# Altium PCB SEG_pressure gauge_don  V2.4.PcbDoc (part 1 of 4)
Units mil, origin at the board's own origin, x right, y up, seen from the top; angles counter-clockwise.
Board outline 2671.27 x 2667.03 mil, 2 copper layers (Top Layer, Bottom Layer); 42 components, 48 nets, 145 pads, 29 vias.
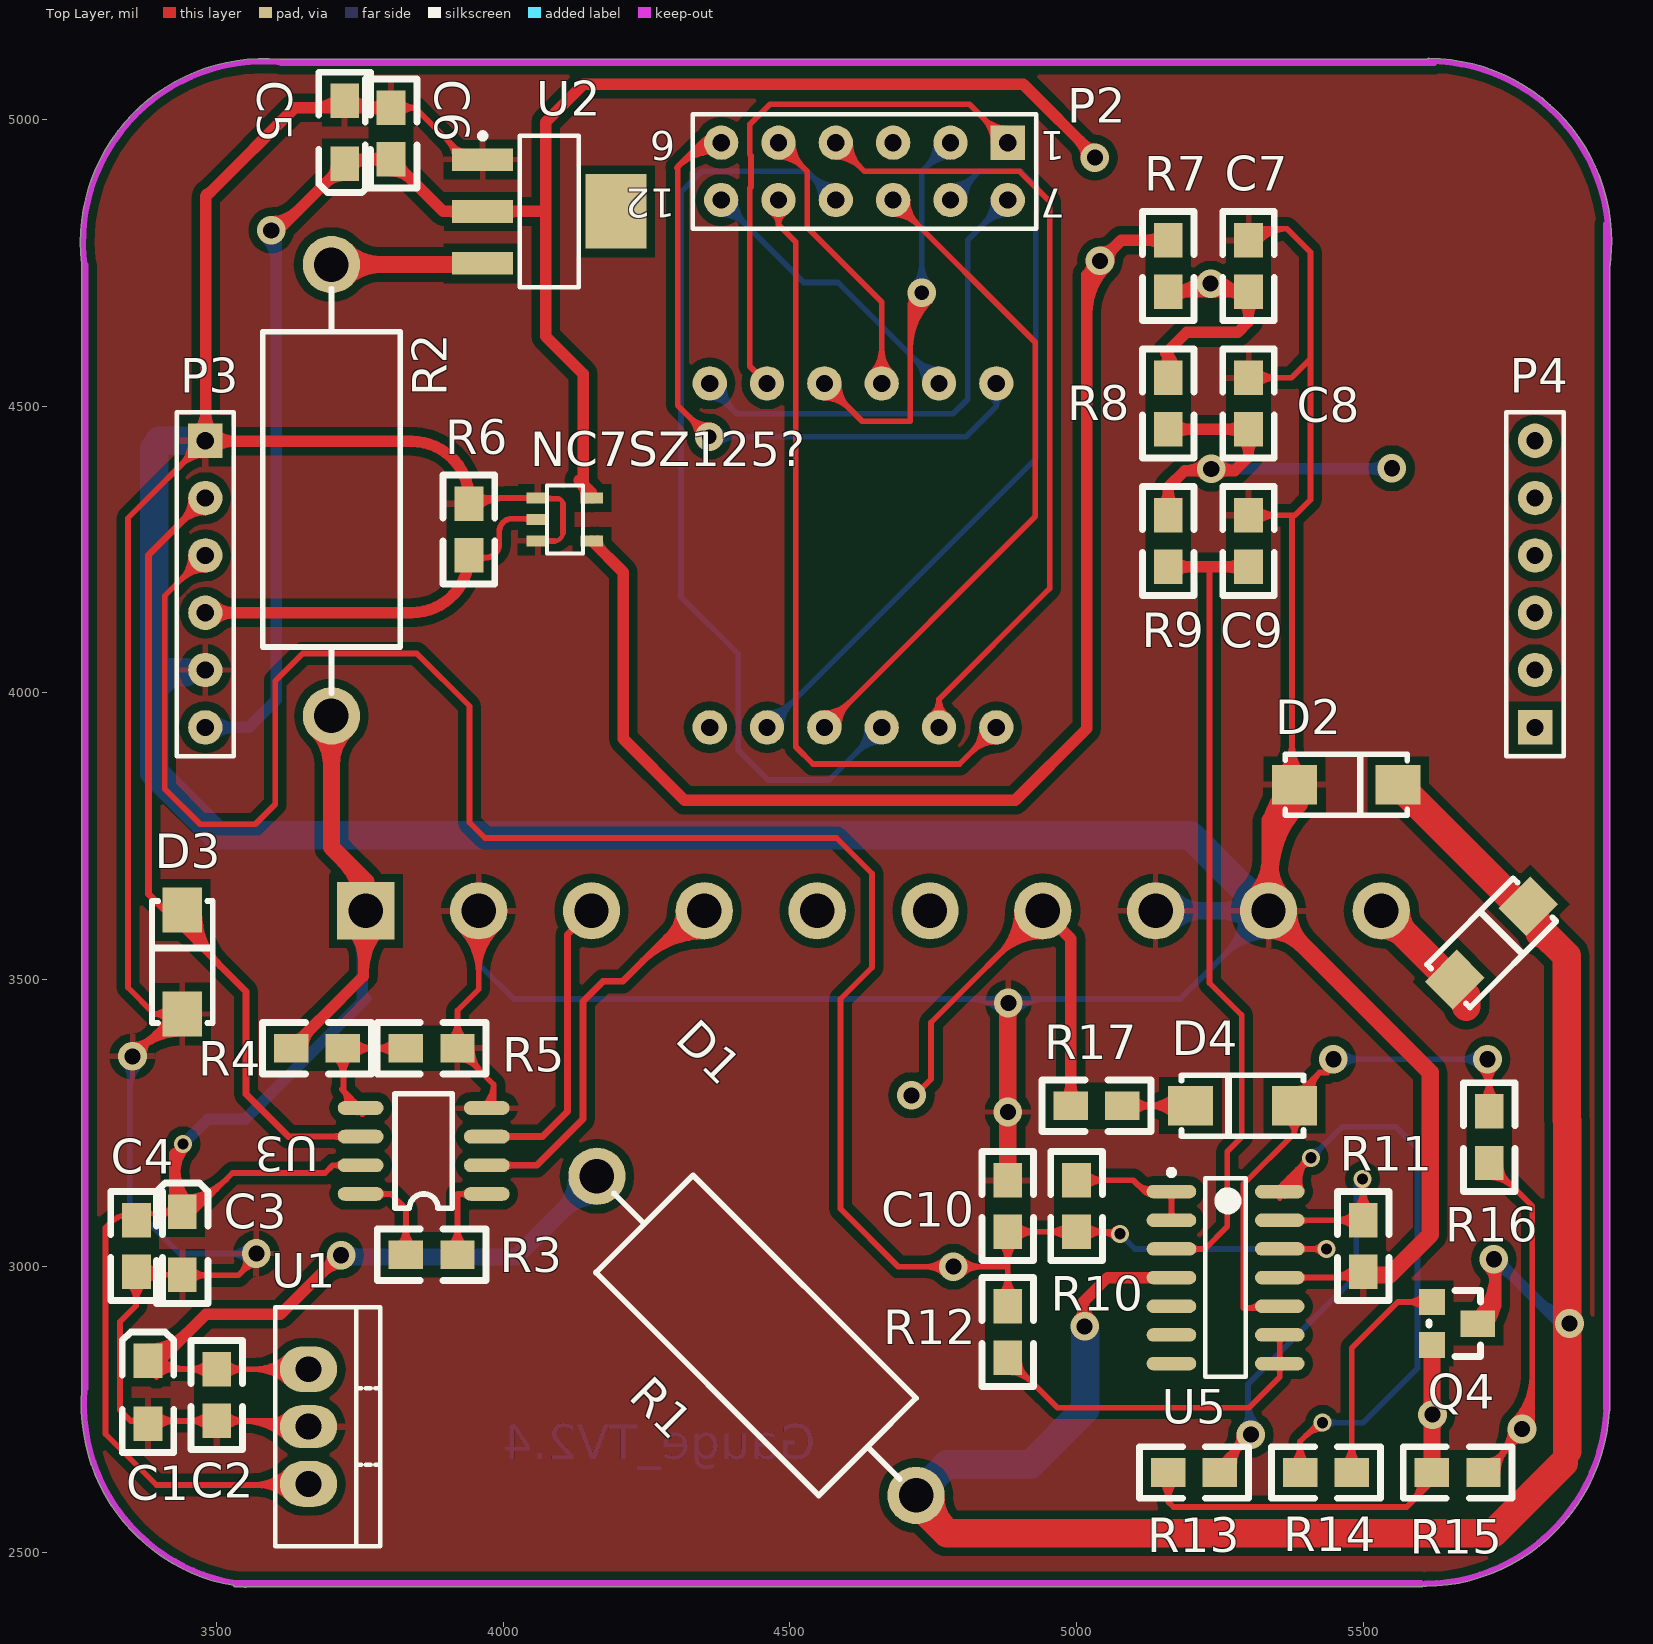
[diagram p0: Top Layer view]
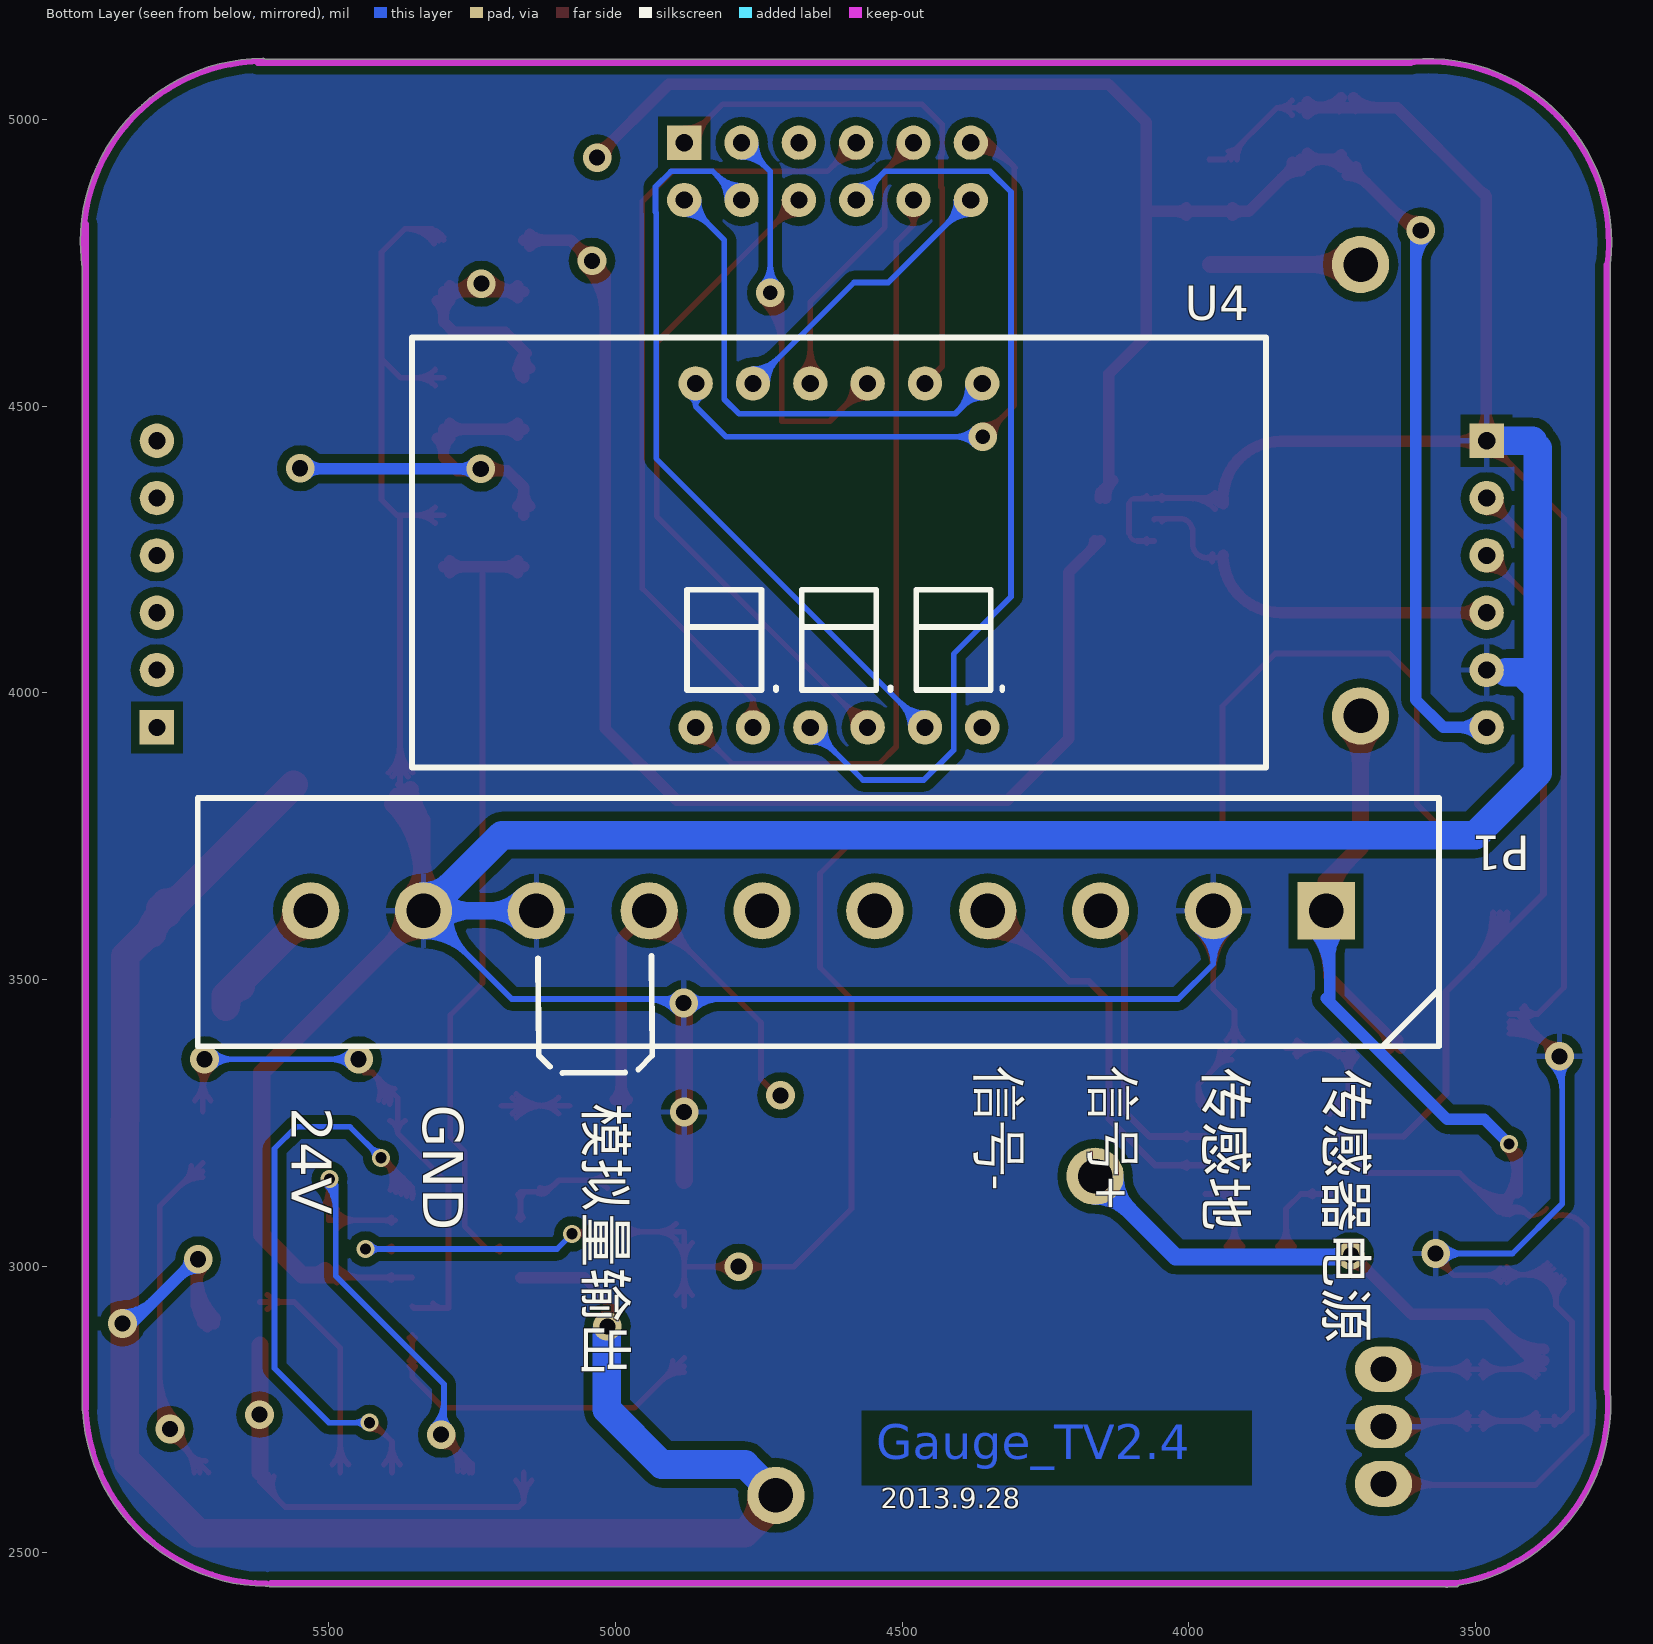
[diagram p1: Bottom Layer view, seen from below]
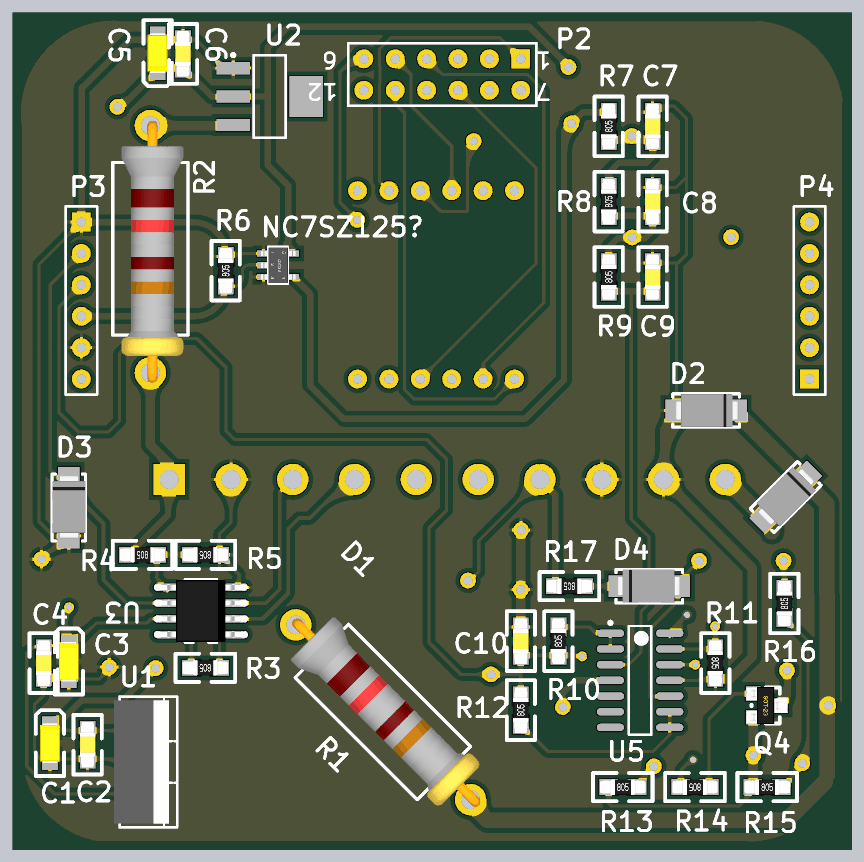
[diagram p5: 3D render of the assembled board from above, using the file's embedded part models]

## Layer stack, top to bottom
Top Layer: signal copper 1.4
Dielectric: core 12.6, FR-4, Dk 4.8
Bottom Layer: signal copper 1.4

## Board outline
3534,2440.26 3547.23,2440.26 ccw(c3583.65,2758.16) 3549.46,2440.01 ccw(c3550,2445) 3551.64,2440.26 5601,2440.26 ccw(c5601,2446.18) 5605.62,2442.48 ccw(c5609,2446.18) 5609.06,2441.17 ccw(c5604.95,2765.95) 5929.22,2747.15 ccw(c5924.72,2751) 5930.64,2751 5930.64,4745.78 ccw(c5925.85,4747.26) 5930.83,4746.63 ccw(c5613.42,4787.04) 5933.39,4787.04 ccw(c5613.42,4787.04) 5615.03,5107.02 5615.03,5107.01 ccw(c5615,5102) 5611.56,5105.64 3612,5105.64 ccw(c3612,5099.72) 3610.3,5105.4 ccw(c3582.1,4786.67) 3264.42,4748.38 ccw(c3270.18,4747) 3264.26,4747 3264.26,2786 ccw(c3270.18,2786) 3264.7,2783.75 ccw(c3583.65,2758.16) 3529.09,2442.87 ccw(c3534,2446.18)

## Design rules (kind name [scope] priority, off if disabled: settings)
Clearance [All] p1: gap=15
PolygonConnect [All] p1: connectstyle=Relief reliefconductorwidth=10 reliefentries=4 polygonreliefangle="90 Angle"
RoutingVias [All] p1: holewidth=25 width=50 viastyle="Through Hole" minholewidth=20 minwidth=50 maxholewidth=28 maxwidth=150
SilkscreenOverComponentPads [All] p1: minsilkscreentomaskgap=10
SolderMaskExpansion [All] p1: expansion=4
Width [All] p1: maxlimit=50 minlimit=6 preferedwidth=8
27 further rules are at their usual default settings.

## Components (designator, comment, footprint, x,y, rotation, side; value= is the part's Value field where it differs from the comment)
C1 "10uf" 3216 3380,2780 r90 top
C2 "100nf" 0805_C_Y 3500,2820 r270 top
C3 "10uf" 3216 3440,3040 r90 top
C4 "100nf" 0805_C_Y 3360,3080 r270 top
C5 "10uf" 3216 3723,4978 r270 top
C6 "100nf" 0805_C_Y 3804,4931 r90 top
C7 "100nf" 0805_C_Y 5300,4700 r90 top
C8 "100nf" 0805_C_Y 5300,4460 r90 top
C9 "100nf" 0805_C_Y 5300,4220 r90 top
C10 "100nf" 0805_C_Y 4880,3060 r90 top
D1 "Diode 1N4007" DO-214 5660,3500 r45 top
D2 "Diode 1N5402" DO-214 5380,3840 r0 top
D3 "Diode 1N5402" DO-214 3440,3440 r90 top
D4 "Diode 1N4007" DO-214 5380,3280 r180 top
NC7SZ125? "NC7SZ125" SOT23-5 4060,4340 r90 top
P1 "Header 10H" HDR1X10H 3760,3620 r0 bottom locked
P2 "Header 6X2*2.54" HDR2X6_CEN 4880,4960 r180 top locked
P3 "Header 6" HDR1X6 3480,4440 r270 top locked
P4 "Header 6" HDR1X6 5800,3940 r90 top locked
Q4 "S8050" SOT-23_Y 5660,2900 r270 top
R1 "56/2W" "PCBComponent_1 - duplicate" 4720,2600 r135 top
R2 "56/2W" "PCBComponent_1 - duplicate" 3700,3960 r90 top
R3 "10k" 0805_R_Y 3920,3020 r180 top
R4 "10k" 0805_R_Y 3720,3380 r180 top
R5 "1k" 0805_R_Y 3920,3380 r180 top
R6 "470" 0805_R_Y 3940,4240 r90 top
R7 "10k" 0805_R_Y 5160,4700 r90 top
R8 "10k" 0805_R_Y 5160,4460 r90 top
R9 "10k" 0805_R_Y 5160,4220 r90 top
R10 "100k" 0805_R_Y 5000,3060 r90 top
R11 "10k" 0805_R_Y 5500,3080 r270 top
R12 "10k" 0805_R_Y 4880,2840 r90 top
R13 "10k" 0805_R_Y 5160,2640 r0 top
R14 "10k" 0805_R_Y 5480,2640 r180 top
R15 "10k" 0805_R_Y 5620,2640 r0 top
R16 "10k" 0805_R_Y 5720,3180 r90 top
R17 "10k" 0805_R_Y 5080,3280 r180 top
U1 "MC7812CT" TO-220 3660,2720 r270 top
U2 "LM1117MP-3.3" MP04A_M 4080,4840 r0 top
U3 "AD620AR" SO-8_Y 3971,3126 r180 top
U4 "3位共阳极数码管" 3位数码管0.56 4860,3940 r180 bottom locked
U5 "LM324AD" D014_N 5260,2980 r0 top

## Footprints (in the part's own frame and the unit in brackets; to place one, negate y for a bottom-side part, rotate by r counter-clockwise, add the part's x,y. Pads: shape width x height; smd on the part's side, far side on the other; paste and mask are expansions set on the pad)
3位数码管0.56 [mil]
  round 60 hole 30: 1(0,600) 2(300,600) 3(400,600) 6(500,0) a(100,600) b(500,600) c(300,0) d(100,0) dot(200,0) e(0,0) f(200,600) g(400,0)
  silkscreen extent -495,-70 995,680
0805_C_Y [mil] "0805贴片电容（已加焊）"
  rect 60x50 smd: 1(0,0) 2(90,0)
  silkscreen extent -50,-45 140,45, body extent -27,-25 117,25, height 14
0805_R_Y [mil] "0805贴片电阻（已加焊）"
  rect 60x50 smd: 1(0,0) 2(90,0)
  silkscreen extent -50,-45 140,45, body extent -27,-25 117,25, height 14
3216 [mil]
  rect 60x50 smd: 1(55,0) 2(-55,0)
  silkscreen extent -105,-45 105,45, body extent -63,-31 63,31, height 63
D014_N [mm] "SOIC, 14-Leads, Body 8.7x3.9mm, Pitch 1.27mm, IPC Medium Density"
  oval 2.2x0.6 smd: 1(-2.4,3.81) 2(-2.4,2.54) 3(-2.4,1.27) 4(-2.4,0) 5(-2.4,-1.27) 6(-2.4,-2.54) 7(-2.4,-3.81) 8(2.4,-3.81) 9(2.4,-2.54) 10(2.4,-1.27) 11(2.4,0) 12(2.4,1.27) 13(2.4,2.54) 14(2.4,3.81)
  silkscreen extent -2.52,-4.4 0.9,4.78, body extent -2,-4.38 2,4.38, height 1.75
DO-214 [mm]
  rect 2x1.75 smd: 1(0,0) 2(4.6,0)
  silkscreen extent -0.4,-1.35 5,1.35, body extent -1.07,-3.44 5.78,3.42, height 2.12
HDR1X6 [mil] "Connector; Header; 6 Position"
  rect 60x60 hole 30: 1(0,0)
  round 60 hole 30: 2(100,0) 3(200,0) 4(300,0) 5(400,0) 6(500,0)
  silkscreen extent -50,-50 550,50
HDR1X10H [mil] "Connector; Header; 10 Position; Right Angle"
  rect 100x100 hole 60: 1(0,0)
  round 100 hole 60: 2(196.85,0) 3(393.7,0) 4(590.55,0) 5(787.4,0) 6(984.25,0) 7(1181.1,0) 8(1377.95,0) 9(1574.8,0) 10(1771.65,0)
  silkscreen extent -197,-197 1969,236
HDR2X6_CEN [mil] "Connector; Header; 6x2 Position"
  rect 60x60 hole 30: 1(0,0)
  round 60 hole 30: 2(100,0) 3(200,0) 4(300,0) 5(400,0) 6(500,0) 7(0,100) 8(100,100) 9(200,100) 10(300,100) 11(400,100) 12(500,100)
  silkscreen extent -50,-50 550,150
MP04A_M [mm] "SOT223, 4-Leads, Body 6.5x3.5mm, Pitch 2.3mm, Lead Span 7mm, IPC Low Density"
  rect 2.7x1 smd: 1(-2.95,2.3) 2(-2.95,0) 3(-2.95,-2.3)
  rect 2.7x3.3 smd: 4(2.95,0)
  silkscreen extent -3.07,-3.35 1.3,3.47, body extent -1.85,-3.35 1.85,3.35, height 1.8
"PCBComponent_1 - duplicate" [mil]
  round 100 hole 60: 1(0,0) 2(787.4,0)
  silkscreen extent 40,-120 745,120, body extent -39,-435 817,421, height 208
SO-8_Y [mil] "AD780AR（已加焊）"
  oval 80x24 smd: 1(0,0) 2(0,-50) 3(0,-100) 4(0,-150) 5(220,-150) 6(220,-100) 7(220,-50) 8(220,0)
  silkscreen extent 60,-175 160,25, body extent -40,-174 260,23, height 69
SOT23-5 [mm]
  rect 0.5x1 smd: 1(0,0) 2(-0.95,0) 3(-1.9,0) 4(-1.9,-2.4) 5(0,-2.4)
  silkscreen extent -2.45,-2 0.55,-0.4, body extent -2.4,-2.6 0.5,0.2, height 1.09
SOT-23_Y [mil] "IMP809T（已加焊）"
  rect 46x46 smd: 1(-37.5,-40) 2(37.5,-40)
  rect 46x60 smd: 3(0.5,40)
  silkscreen extent -58,-45 58,45, body extent -60,-63 61,70, height 39
TO-220 [mil]
  oval 80x100 hole 45: 1(-100,0) 3(100,0)
  oval 75x100 hole 45: 2(0,0)
  silkscreen extent -208,-58 208,125, body extent -196,-75 196,100, height 730

## Part data
C1 C3 C5: library part "Cap Pol2", "Polarized Capacitor (Axial)"
C2 C4 C6 C7 C8 C9 C10: library part Cap, "Capacitor"
D1: "1 Amp General Purpose Rectifier"
D2 D3: "3 Amp General Purpose Rectifier"
D4: library part "Diode 1N5402", "3 Amp General Purpose Rectifier"
P1: "Header, 10-Pin, Right Angle"
P2: library part "Header 6X2A", "Header, 6-Pin, Dual row"
P3 P4: "Header, 6-Pin"
Q4: library part 2N3904, "NPN General Purpose Amplifier"
R1 R2 R3 R4 R5 R6 R7 R8 R9 R10 R11 R12 R13 R14 R15 R16 R17: library part Res2, "Resistor"
U1: "Three-Terminal Positive Voltage Regulator"
U2: "800mA Low-Dropout Linear Regulator"
U3: "Low-Cost, Low-Power Instrumentation Amplifier"
U5: "Quadruple Operational Amplifier"

## Via types
v1: diameter 50, hole 28, Top Layer to Bottom Layer, 21 vias
v2: diameter 31.5, hole 19.68, Top Layer to Bottom Layer, 4 vias
v3: diameter 50, hole 25, Top Layer to Bottom Layer, 2 vias
v4: diameter 31.5, hole 19.68, Top Layer to Bottom Layer, tented top, 2 vias

## Nets (pads, with @x,y where several pads share a name; then routed paths per layer and width w, separated by ;. In a path a pad name is that pad's centre, name@x,y a point inside that pad or via, vN(x,y) a via of type N, cw(c..) or ccw(c..) an arc to the next point about the centre after c; other vN are vias at no path point)
3.3V: C5.1 C6.1 NC7SZ125?.5 P3.6 U2.2 | length 5334
  Top Layer w20: v1@3595,4822 ccw(c3595,4887.18) 3641.09,4841.09 ; v1@3604,4804 C5.1@3723,4923 3731,4931 C6.1@3804,4931 3895,4840 U2.2@3963.86,4840 4074,4840 ; 4131.94,4371.06 cw(c4100.87,4340) NC7SZ125?.5@4144.8,4340 ; 4148.74,4354.26 cw(c4134.5,4340.01) NC7SZ125?.5@4154.65,4340 ; 4153,4350 4139,4364 4139,4557 4074,4622 4074,4840 ; 5004.27,4964.73 cw(c4973.54,4934) v1@5017,4934 ; 5011.51,4957.49 ccw(c5032,4977.97) v1@5032,4949 ; v1@5034,4935 4907,5062 4140,5062 4074,4996 4074,4840 ; 3688.86,4888.86 cw(c3723,4854.72) C5.1@3723,4903 ; 3688.86,4888.86 cw(c3723,4854.72) C5.1@3723,4903 ; 3688.86,4888.86 cw(c3723,4854.72) C5.1@3723,4903 ; 3688.86,4888.86 cw(c3723,4854.72) C5.1@3723,4903 ; 3688.86,4888.86 cw(c3723,4854.72) C5.1@3723,4903 ; 3688.86,4888.86 cw(c3723,4854.72) C5.1@3723,4903 ; C5.1@3700.93,4900.93 ccw(c3683.86,4918) C5.1@3708,4918 ; C5.1@3700.93,4900.93 ccw(c3683.86,4918) C5.1@3708,4918 ; C5.1@3700.93,4900.93 ccw(c3683.86,4918) C5.1@3708,4918 ; C5.1@3700.93,4900.93 ccw(c3683.86,4918) C5.1@3708,4918 ; C5.1@3700.93,4900.93 ccw(c3683.86,4918) C5.1@3708,4918 ; C5.1@3700.93,4900.93 ccw(c3683.86,4918) C5.1@3708,4918 ; C5.1@3733.61,4917.39 cw(c3766.46,4884.54) 3766.46,4931 ; C5.1@3733.61,4917.39 cw(c3766.46,4884.54) 3766.46,4931 ; C5.1@3733.61,4917.39 cw(c3766.46,4884.54) 3766.46,4931 ; C5.1@3733.61,4917.39 cw(c3766.46,4884.54) 3766.46,4931 ; C5.1@3733.61,4917.39 cw(c3766.46,4884.54) 3766.46,4931 ; C5.1@3733.61,4917.39 cw(c3766.46,4884.54) 3766.46,4931 ; C5.1@3733.61,4938.61 ccw(c3751.97,4956.97) 3751.97,4931 ; C5.1@3733.61,4938.61 ccw(c3751.97,4956.97) 3751.97,4931 ; C5.1@3733.61,4938.61 ccw(c3751.97,4956.97) 3751.97,4931 ; C5.1@3733.61,4938.61 ccw(c3751.97,4956.97) 3751.97,4931 ; C5.1@3733.61,4938.61 ccw(c3751.97,4956.97) 3751.97,4931 ; C5.1@3733.61,4938.61 ccw(c3751.97,4956.97) 3751.97,4931 ; 3767.79,4931 cw(c3767.79,4894.79) C6.1@3793.39,4920.39 ; 3767.79,4931 ccw(c3767.79,4967.21) C6.1@3793.39,4941.61 ; 3767.79,4931 cw(c3767.79,4894.79) C6.1@3793.39,4920.39 ; 3767.79,4931 ccw(c3767.79,4967.21) C6.1@3793.39,4941.61 ; 3767.79,4931 cw(c3767.79,4894.79) C6.1@3793.39,4920.39 ; 3767.79,4931 ccw(c3767.79,4967.21) C6.1@3793.39,4941.61 ; 3767.79,4931 cw(c3767.79,4894.79) C6.1@3793.39,4920.39 ; 3767.79,4931 ccw(c3767.79,4967.21) C6.1@3793.39,4941.61 ; 3767.79,4931 ccw(c3767.79,4967.21) C6.1@3793.39,4941.61 ; 3767.79,4931 cw(c3767.79,4894.79) C6.1@3793.39,4920.39 ; 3767.79,4931 ccw(c3767.79,4967.21) C6.1@3793.39,4941.61 ; 3767.79,4931 cw(c3767.79,4894.79) C6.1@3793.39,4920.39 ; C6.1@3804,4911 cw(c3804,4862.72) 3838.14,4896.86 ; C6.1@3804,4911 cw(c3804,4862.72) 3838.14,4896.86 ; C6.1@3804,4911 cw(c3804,4862.72) 3838.14,4896.86 ; C6.1@3804,4911 cw(c3804,4862.72) 3838.14,4896.86 ; C6.1@3804,4911 cw(c3804,4862.72) 3838.14,4896.86 ; C6.1@3804,4911 cw(c3804,4862.72) 3838.14,4896.86 ; C6.1@3819,4926 ccw(c3843.14,4926) C6.1@3826.07,4908.93 ; C6.1@3819,4926 ccw(c3843.14,4926) C6.1@3826.07,4908.93 ; C6.1@3819,4926 ccw(c3843.14,4926) C6.1@3826.07,4908.93 ; C6.1@3819,4926 ccw(c3843.14,4926) C6.1@3826.07,4908.93 ; C6.1@3819,4926 ccw(c3843.14,4926) C6.1@3826.07,4908.93 ; C6.1@3819,4926 ccw(c3843.14,4926) C6.1@3826.07,4908.93 ; 3907.01,4840 cw(c3907.01,4816.62) U2.2@3923.55,4833.15 ; 3907.01,4840 ccw(c3907.01,4863.38) U2.2@3923.55,4846.85 ; 3907.01,4840 cw(c3907.01,4816.62) U2.2@3923.55,4833.15 ; 3907.01,4840 ccw(c3907.01,4863.38) U2.2@3923.55,4846.85 ; 3907.01,4840 cw(c3907.01,4816.62) U2.2@3923.55,4833.15 ; 3907.01,4840 ccw(c3907.01,4863.38) U2.2@3923.55,4846.85 ; 3907.01,4840 cw(c3907.01,4816.62) U2.2@3923.55,4833.15 ; 3907.01,4840 ccw(c3907.01,4863.38) U2.2@3923.55,4846.85 ; 3907.01,4840 ccw(c3907.01,4863.38) U2.2@3923.55,4846.85 ; 3907.01,4840 cw(c3907.01,4816.62) U2.2@3923.55,4833.15 ; 3907.01,4840 ccw(c3907.01,4863.38) U2.2@3923.55,4846.85 ; 3907.01,4840 cw(c3907.01,4816.62) U2.2@3923.55,4833.15 ; U2.2@4004.17,4833.15 cw(c4020.7,4816.62) 4020.7,4840 ; U2.2@4004.17,4833.15 cw(c4020.7,4816.62) 4020.7,4840 ; U2.2@4004.17,4833.15 cw(c4020.7,4816.62) 4020.7,4840 ; U2.2@4004.17,4833.15 cw(c4020.7,4816.62) 4020.7,4840 ; U2.2@4004.17,4846.85 ccw(c4020.7,4863.38) 4020.7,4840 ; U2.2@4004.17,4846.85 ccw(c4020.7,4863.38) 4020.7,4840 ; U2.2@4004.17,4846.85 ccw(c4020.7,4863.38) 4020.7,4840 ; U2.2@4004.17,4846.85 ccw(c4020.7,4863.38) 4020.7,4840
  Bottom Layer w20: P3.6@3480,3940 3556,3940 3604,3988 v1@3604,4804 ; v1@3584.39,4796.39 cw(c3537.06,4749.06) 3604,4749.06 ; 3528.28,3940 cw(c3528.28,3988.28) 3494.14,3954.14 ccw(c3528.28,3988.28) 3528.28,3940 ; 3528.28,3940 ccw(c3528.28,3891.72) 3494.14,3925.86 cw(c3528.28,3891.72) 3528.28,3940
  other v1: 3595,4807 5032,4934
12V: C3.1 C4.1 P1.1 R2.1 R4.2 U1.3 U3.7 | length 9002.6
  Top Layer w8: C4.1@3374.87,3100.76 ccw(c3405,3126.88) 3405,3087 ; 3413,3095 ccw(c3413,3137.09) C3.1@3444.36,3109.01 ; 3429.5,3125.5 cw(c3406.44,3102.43) C3.1@3439.02,3100.95 ; 3408.25,3090.25 cw(c3426.25,3072.26) C3.1@3441.84,3092.37 ; 3408.25,3090.25 cw(c3426.25,3072.26) C3.1@3441.84,3092.37 ; 3408.25,3090.25 cw(c3426.25,3072.26) C3.1@3441.84,3092.37 ; 3414.67,3096.67 cw(c3431.85,3079.49) C3.1@3446.74,3098.69 ; 3414.67,3096.67 cw(c3431.85,3079.49) C3.1@3446.74,3098.69 ; 3414.67,3096.67 cw(c3431.85,3079.49) C3.1@3446.74,3098.69 ; C3.1@3440,3097 ccw(c3440,3150.11) 3477.56,3112.56 ; C3.1@3440,3097 ccw(c3440,3150.11) 3477.56,3112.56 ; C3.1@3440,3097 ccw(c3440,3150.11) 3477.56,3112.56 ; C3.1@3440,3105 ccw(c3440,3177.43) 3491.21,3126.21 ; C3.1@3440,3105 ccw(c3440,3177.43) 3491.21,3126.21 ; C3.1@3440,3105 ccw(c3440,3177.43) 3491.21,3126.21 ; C3.1@3440,3113 ccw(c3440,3204.74) 3504.87,3139.87 ; C3.1@3440,3113 ccw(c3440,3204.74) 3504.87,3139.87 ; C3.1@3440,3113 ccw(c3440,3204.74) 3504.87,3139.87 ; C3.1@3440,3121 ccw(c3440,3232.05) 3518.53,3153.53 ; C3.1@3440,3121 ccw(c3440,3232.05) 3518.53,3153.53 ; C3.1@3440,3121 ccw(c3440,3232.05) 3518.53,3153.53 ; 3703.69,3176 cw(c3703.69,3156.69) U3.7@3717.34,3170.34 ; 3703.69,3176 ccw(c3703.69,3195.31) U3.7@3717.34,3181.66 ; 3703.69,3176 cw(c3703.69,3156.69) U3.7@3717.34,3170.34 ; 3703.69,3176 ccw(c3703.69,3195.31) U3.7@3717.34,3181.66 ; 3703.69,3176 cw(c3703.69,3156.69) U3.7@3717.34,3170.34 ; 3703.69,3176 ccw(c3703.69,3195.31) U3.7@3717.34,3181.66 ; 3703.69,3176 ccw(c3703.69,3195.31) U3.7@3717.34,3181.66 ; 3703.69,3176 cw(c3703.69,3156.69) U3.7@3717.34,3170.34 ; 3703.69,3176 ccw(c3703.69,3195.31) U3.7@3717.34,3181.66 ; 3703.69,3176 cw(c3703.69,3156.69) U3.7@3717.34,3170.34
  Top Layer w10: 3313,3074 3306,3067 3306,2707 3395,2618 U1.3@3660,2618 ; 3315.97,3076.97 cw(c3345.91,3047.04) C4.1@3360.75,3086.68 ; 3405,3087 3413,3095 ; 3405.42,3087.42 cw(c3424.21,3068.64) 3440,3090 ccw(c3440,3126.21) 3465.61,3100.61 ; 3413.63,3095.63 cw(c3431.19,3078.08) C3.1@3445.94,3098.04 ; 3427,3196 v2@3438,3207 ; C3.1@3440,3100 ccw(c3440,3160.36) 3482.68,3117.68 ; C3.1@3440,3110 ccw(c3440,3194.5) 3499.75,3134.75 ; C3.1@3440,3120 ccw(c3440,3228.64) 3516.82,3151.82 ; C3.1@3460,3095 3527.5,3162.5 3689,3162.5 3702.5,3176 U3.7@3751,3176 ; U3.7@3718.05,3171.05 ccw(c3706.1,3159.1) 3706.1,3176 ccw(c3706.1,3192.9) U3.7@3718.05,3180.95 ; 3560.67,2618 ccw(c3560.67,2709.33) U1.3@3625.25,2644.75 ; 3560.67,2618 ccw(c3560.67,2709.33) U1.3@3625.25,2644.75 ; 3560.67,2618 ccw(c3560.67,2709.33) U1.3@3625.25,2644.75 ; 3560.67,2618 ccw(c3560.67,2709.33) U1.3@3625.25,2644.75 ; 3570.33,2618 cw(c3570.33,2540.33) U1.3@3625.25,2595.25 ; 3570.33,2618 cw(c3570.33,2540.33) U1.3@3625.25,2595.25 ; 3570.33,2618 cw(c3570.33,2540.33) U1.3@3625.25,2595.25 ; 3570.33,2618 cw(c3570.33,2540.33) U1.3@3625.25,2595.25 ; 3584.82,2618 ccw(c3584.82,2685.18) U1.3@3632.32,2637.68 ; 3584.82,2618 ccw(c3584.82,2685.18) U1.3@3632.32,2637.68 ; 3584.82,2618 ccw(c3584.82,2685.18) U1.3@3632.32,2637.68 ; 3584.82,2618 ccw(c3584.82,2685.18) U1.3@3632.32,2637.68 ; 3594.47,2618 cw(c3594.47,2564.47) U1.3@3632.32,2602.32 ; 3594.47,2618 cw(c3594.47,2564.47) U1.3@3632.32,2602.32 ; 3594.47,2618 cw(c3594.47,2564.47) U1.3@3632.32,2602.32 ; 3594.47,2618 cw(c3594.47,2564.47) U1.3@3632.32,2602.32 ; 3608.96,2618 ccw(c3608.96,2661.04) U1.3@3639.39,2630.61 ; 3608.96,2618 ccw(c3608.96,2661.04) U1.3@3639.39,2630.61 ; 3608.96,2618 ccw(c3608.96,2661.04) U1.3@3639.39,2630.61 ; 3608.96,2618 ccw(c3608.96,2661.04) U1.3@3639.39,2630.61
  Top Layer w20: 3427,3128 3427,3196 ; R4.2@3630,3380 3630,3380.36 3679.64,3430 3680,3430 3756,3506 P1.1@3756,3617 ; 3427,3165.32 cw(c3488.68,3165.32) v2@3445.06,3208.94 ; 3427,3165.32 cw(c3488.68,3165.32) v2@3445.06,3208.94 ; 3427,3165.32 cw(c3488.68,3165.32) v2@3445.06,3208.94 ; 3427,3165.32 cw(c3488.68,3165.32) v2@3445.06,3208.94 ; 3427,3167.6 ccw(c3507.6,3167.6) C3.1@3450.61,3110.61 ; 3427,3167.6 ccw(c3507.6,3167.6) C3.1@3450.61,3110.61 ; 3427,3167.6 ccw(c3507.6,3167.6) C3.1@3450.61,3110.61 ; 3427,3167.6 ccw(c3507.6,3167.6) C3.1@3450.61,3110.61 ; R4.2@3635,3395 ccw(c3635,3418.28) R4.2@3651.46,3401.82 ; R4.2@3635,3395 ccw(c3635,3418.28) R4.2@3651.46,3401.82 ; R4.2@3635,3395 ccw(c3635,3418.28) R4.2@3651.46,3401.82 ; R4.2@3635,3395 ccw(c3635,3418.28) R4.2@3651.46,3401.82 ; R4.2@3635,3395 ccw(c3635,3418.28) R4.2@3651.46,3401.82 ; R4.2@3650,3380 cw(c3699.14,3380) 3664.39,3414.75 ; R4.2@3650,3380 cw(c3699.14,3380) 3664.39,3414.75 ; R4.2@3650,3380 cw(c3699.14,3380) 3664.39,3414.75 ; R4.2@3650,3380 cw(c3699.14,3380) 3664.39,3414.75 ; R4.2@3650,3380 cw(c3699.14,3380) 3664.39,3414.75 ; P1.1@3731.72,3591.72 cw(c3673.09,3533.09) 3756,3533.09 ; P1.1@3731.72,3591.72 cw(c3673.09,3533.09) 3756,3533.09 ; P1.1@3731.72,3591.72 cw(c3673.09,3533.09) 3756,3533.09 ; P1.1@3731.72,3591.72 cw(c3673.09,3533.09) 3756,3533.09 ; P1.1@3731.72,3591.72 cw(c3673.09,3533.09) 3756,3533.09 ; 3756,3513.77 cw(c3866.23,3513.77) P1.1@3788.28,3591.72 ; 3756,3513.77 cw(c3866.23,3513.77) P1.1@3788.28,3591.72 ; 3756,3513.77 cw(c3866.23,3513.77) P1.1@3788.28,3591.72 ; 3756,3513.77 cw(c3866.23,3513.77) P1.1@3788.28,3591.72 ; 3756,3513.77 cw(c3866.23,3513.77) P1.1@3788.28,3591.72 ; 3756,3562.06 cw(c3817.94,3562.06) P1.1@3774.14,3605.86 ; 3756,3562.06 cw(c3817.94,3562.06) P1.1@3774.14,3605.86 ; 3756,3562.06 cw(c3817.94,3562.06) P1.1@3774.14,3605.86 ; 3756,3562.06 cw(c3817.94,3562.06) P1.1@3774.14,3605.86 ; 3756,3562.06 cw(c3817.94,3562.06) P1.1@3774.14,3605.86
  Top Layer w30: R2.1@3700,3960 3700,3731 3760,3671 P1.1@3760,3620 ; R2.1@3675.25,3935.25 cw(c3615.5,3875.5) 3700,3875.5 ; R2.1@3675.25,3935.25 cw(c3615.5,3875.5) 3700,3875.5 ; R2.1@3675.25,3935.25 cw(c3615.5,3875.5) 3700,3875.5 ; R2.1@3675.25,3935.25 cw(c3615.5,3875.5) 3700,3875.5 ; R2.1@3675.25,3935.25 cw(c3615.5,3875.5) 3700,3875.5 ; R2.1@3675.25,3935.25 cw(c3615.5,3875.5) 3700,3875.5 ; 3700,3875.5 cw(c3784.5,3875.5) R2.1@3724.75,3935.25 ; 3700,3875.5 cw(c3784.5,3875.5) R2.1@3724.75,3935.25 ; 3700,3875.5 cw(c3784.5,3875.5) R2.1@3724.75,3935.25 ; 3700,3875.5 cw(c3784.5,3875.5) R2.1@3724.75,3935.25 ; 3700,3875.5 cw(c3784.5,3875.5) R2.1@3724.75,3935.25 ; 3700,3875.5 cw(c3784.5,3875.5) R2.1@3724.75,3935.25 ; 3721.36,3709.64 cw(c3639.55,3627.82) P1.1@3755.01,3620.32 ; 3721.36,3709.64 cw(c3639.55,3627.82) P1.1@3755.01,3620.32 ; 3721.36,3709.64 cw(c3639.55,3627.82) P1.1@3755.01,3620.32 ; 3721.36,3709.64 cw(c3639.55,3627.82) P1.1@3755.01,3620.32 ; 3721.36,3709.64 cw(c3639.55,3627.82) P1.1@3755.01,3620.32 ; 3721.36,3709.64 cw(c3639.55,3627.82) P1.1@3755.01,3620.32
  Bottom Layer w20: v2(3441,3213) 3484,3256 3544,3256 ; 3549,3256 3760,3467 ; 3754,3466 P1.1@3754,3614 ; P1.1@3731.72,3591.72 cw(c3677.92,3537.92) 3754,3537.92 ; P1.1@3731.72,3591.72 cw(c3677.92,3537.92) 3754,3537.92 ; P1.1@3731.72,3591.72 cw(c3677.92,3537.92) 3754,3537.92 ; P1.1@3731.72,3591.72 cw(c3677.92,3537.92) 3754,3537.92 ; 3754,3508.95 cw(c3871.05,3508.95) P1.1@3788.28,3591.72 ; 3754,3508.95 cw(c3871.05,3508.95) P1.1@3788.28,3591.72 ; 3754,3508.95 cw(c3871.05,3508.95) P1.1@3788.28,3591.72 ; 3754,3508.95 cw(c3871.05,3508.95) P1.1@3788.28,3591.72 ; 3754,3557.23 cw(c3822.77,3557.23) P1.1@3774.14,3605.86 ; 3754,3557.23 cw(c3822.77,3557.23) P1.1@3774.14,3605.86 ; 3754,3557.23 cw(c3822.77,3557.23) P1.1@3774.14,3605.86 ; 3754,3557.23 cw(c3822.77,3557.23) P1.1@3774.14,3605.86
24V: D1.2 D2.2 Q4.3 R1.1 U5.4 | length 4606.7
  Top Layer w20: v1@5003.39,2905.61 ccw(c4982.62,2926.38) 5012,2926.38 ; v1@5012,2895 5012,2938 5054,2980 U5.4@5165.51,2980 ; 5012,2936.04 ccw(c5055.04,2936.04) v1@5024.61,2905.61 ; Q4.3@5697.81,2908.69 ccw(c5617.67,2988.83) v1@5731,2988.83 ; Q4.3@5700,2899.5 5731,2930.5 ; Q4.3@5711.95,2894.55 ccw(c5665.96,2940.54) 5731,2940.54 ; v1@5717.39,3001.39 cw(c5684.54,2968.54) 5731,2968.54 ; Q4.3@5719.96,2900.53 cw(c5757.94,2903.56) 5731,2930.5 ; v1(5728,3012) 5731,3009 5731,2930.5 ; 5731,2983.03 cw(c5756.97,2983.03) v1@5738.61,3001.39
  Top Layer w50: R1.1@4734,2574 4774,2534 5727,2534 5849.66,2656.66 ; R1.1@4744.98,2598.97 ccw(c4823.73,2595.73) 4768,2540 ; D2.2@5561.1,3840 5808.06,3593.04 5808.06,3588.06 5855,3541.12 5855,3255 ; 5856,2677.27 v1@5856,2900 ; v1@5856,2904 5856,3254 ; 5754.7,3646.4 ccw(c5784.58,3676.29) D1.2@5784.58,3634.03 ; 5754.7,3646.4 ccw(c5784.58,3676.29) D1.2@5784.58,3634.03 ; 5754.7,3646.4 ccw(c5784.58,3676.29) D1.2@5784.58,3634.03 ; 5754.7,3646.4 ccw(c5784.58,3676.29) D1.2@5784.58,3634.03 ; D1.2@5782.03,3615.48 cw(c5772.42,3581.16) 5808.06,3581.16 ; D1.2@5782.03,3615.48 cw(c5772.42,3581.16) 5808.06,3581.16 ; D1.2@5782.03,3615.48 cw(c5772.42,3581.16) 5808.06,3581.16 ; D1.2@5782.03,3615.48 cw(c5772.42,3581.16) 5808.06,3581.16 ; D1.2@5782.92,3615.28 cw(c5777.57,3585.26) 5808.06,3585.26 ; D1.2@5782.92,3615.28 cw(c5777.57,3585.26) 5808.06,3585.26 ; D1.2@5782.92,3615.28 cw(c5777.57,3585.26) 5808.06,3585.26 ; D1.2@5782.92,3615.28 cw(c5777.57,3585.26) 5808.06,3585.26 ; D1.2@5794.03,3624.58 ccw(c5848.32,3624.58) 5809.93,3586.19 ; D1.2@5794.03,3624.58 ccw(c5848.32,3624.58) 5809.93,3586.19 ; D1.2@5794.03,3624.58 ccw(c5848.32,3624.58) 5809.93,3586.19 ; D1.2@5794.03,3624.58 ccw(c5848.32,3624.58) 5809.93,3586.19
  Bottom Layer w20: v1@5725,3010 5734,3010 5844,2900 v1(5860,2900) ; v1@5728,2997 cw(c5728,2951.13) 5760.44,2983.56 ; v1@5743,3012 ccw(c5769.56,3012) 5750.78,2993.22 ; 5807.08,2936.92 ccw(c5860,2989.84) v1@5860,2915
  Bottom Layer w50: R1.1@4720,2600 4774,2654 4919,2654 5015,2750 v1@5015,2890
  other v1: 5014,2895
24VIN: D1.1 P1.10 | length 785.7
  Top Layer w50: P1.10@5531.65,3620 5680,3471.65 5680,3460 ; P1.10@5531.65,3595 cw(c5531.65,3534.64) 5574.33,3577.32 ; P1.10@5531.65,3595 cw(c5531.65,3534.64) 5574.33,3577.32 ; P1.10@5531.65,3595 cw(c5531.65,3534.64) 5574.33,3577.32 ; P1.10@5531.65,3595 cw(c5531.65,3534.64) 5574.33,3577.32 ; P1.10@5556.65,3620 ccw(c5617.01,3620) 5574.33,3577.32 ; P1.10@5556.65,3620 ccw(c5617.01,3620) 5574.33,3577.32 ; P1.10@5556.65,3620 ccw(c5617.01,3620) 5574.33,3577.32 ; P1.10@5556.65,3620 ccw(c5617.01,3620) 5574.33,3577.32 ; D1.1@5653.97,3487.42 cw(c5644.36,3453.1) 5680,3453.1 ; D1.1@5653.97,3487.42 cw(c5644.36,3453.1) 5680,3453.1 ; D1.1@5653.97,3487.42 cw(c5644.36,3453.1) 5680,3453.1 ; D1.1@5653.97,3487.42 cw(c5644.36,3453.1) 5680,3453.1
AD0: D3.2 P3.2 U3.6 | length 3584
  Top Layer w8: 3703.69,3226 cw(c3703.69,3206.69) U3.6@3717.34,3220.34 ; 3703.69,3226 ccw(c3703.69,3245.31) U3.6@3717.34,3231.66 ; 3703.69,3226 cw(c3703.69,3206.69) U3.6@3717.34,3220.34 ; 3703.69,3226 ccw(c3703.69,3245.31) U3.6@3717.34,3231.66 ; 3703.69,3226 cw(c3703.69,3206.69) U3.6@3717.34,3220.34 ; 3703.69,3226 ccw(c3703.69,3245.31) U3.6@3717.34,3231.66 ; 3703.69,3226 ccw(c3703.69,3245.31) U3.6@3717.34,3231.66 ; 3703.69,3226 cw(c3703.69,3206.69) U3.6@3717.34,3220.34 ; 3703.69,3226 ccw(c3703.69,3245.31) U3.6@3717.34,3231.66 ; 3703.69,3226 cw(c3703.69,3206.69) U3.6@3717.34,3220.34
  Top Layer w10: 3625,3226 U3.6@3751,3226 ; U3.6@3718.05,3221.05 ccw(c3706.1,3209.1) 3706.1,3226 ccw(c3706.1,3242.9) U3.6@3718.05,3230.95
  Top Layer w12: P3.2@3480,4340 3381,4241 3381,3649 3424.45,3605.55 3551,3479 3551,3300 3625,3226 ; U3.6@3718.76,3221.76 ccw(c3708.51,3211.51) 3708.51,3226 ccw(c3708.51,3240.49) U3.6@3718.76,3230.24 ; 3439.03,4299.03 cw(c3480,4258.06) P3.2@3480,4316 ; 3439.03,4299.03 ccw(c3398.06,4340) P3.2@3456,4340 ; 3439.03,4299.03 cw(c3480,4258.06) P3.2@3480,4316 ; 3439.03,4299.03 ccw(c3398.06,4340) P3.2@3456,4340 ; 3439.03,4299.03 cw(c3480,4258.06) P3.2@3480,4316 ; 3439.03,4299.03 ccw(c3398.06,4340) P3.2@3456,4340 ; 3439.03,4299.03 cw(c3480,4258.06) P3.2@3480,4316 ; 3439.03,4299.03 ccw(c3398.06,4340) P3.2@3456,4340 ; 3439.03,4299.03 ccw(c3398.06,4340) P3.2@3456,4340 ; 3439.03,4299.03 cw(c3480,4258.06) P3.2@3480,4316 ; 3439.03,4299.03 ccw(c3398.06,4340) P3.2@3456,4340 ; 3439.03,4299.03 cw(c3480,4258.06) P3.2@3480,4316 ; D3.2@3444.45,3616.18 ccw(c3518.39,3616.18) 3466.11,3563.9 ; D3.2@3444.45,3616.18 ccw(c3518.39,3616.18) 3466.11,3563.9 ; D3.2@3444.45,3616.18 ccw(c3518.39,3616.18) 3466.11,3563.9 ; D3.2@3444.45,3616.18 ccw(c3518.39,3616.18) 3466.11,3563.9 ; D3.2@3444.45,3616.18 ccw(c3518.39,3616.18) 3466.11,3563.9 ; D3.2@3444.45,3616.18 ccw(c3518.39,3616.18) 3466.11,3563.9 ; D3.2@3456.45,3616.18 ccw(c3559.36,3616.18) 3486.59,3543.41 ; D3.2@3456.45,3616.18 ccw(c3559.36,3616.18) 3486.59,3543.41 ; D3.2@3456.45,3616.18 ccw(c3559.36,3616.18) 3486.59,3543.41 ; D3.2@3456.45,3616.18 ccw(c3559.36,3616.18) 3486.59,3543.41 ; D3.2@3456.45,3616.18 ccw(c3559.36,3616.18) 3486.59,3543.41 ; D3.2@3456.45,3616.18 ccw(c3559.36,3616.18) 3486.59,3543.41 ; D3.2@3468.45,3616.18 ccw(c3600.33,3616.18) 3507.08,3522.93 ; D3.2@3468.45,3616.18 ccw(c3600.33,3616.18) 3507.08,3522.93 ; D3.2@3468.45,3616.18 ccw(c3600.33,3616.18) 3507.08,3522.93 ; D3.2@3468.45,3616.18 ccw(c3600.33,3616.18) 3507.08,3522.93 ; D3.2@3468.45,3616.18 ccw(c3600.33,3616.18) 3507.08,3522.93 ; D3.2@3468.45,3616.18 ccw(c3600.33,3616.18) 3507.08,3522.93
AD1: C10.1 P3.3 R10.1 R12.2 U5.12 | length 4782.7
  Top Layer w10: P3.3@3455,4240 cw(c3394.64,4240) 3437.32,4197.32 cw(c3480,4154.64) P3.3@3480,4215 ; P3.3@3465,4240 cw(c3428.79,4240) 3454.39,4214.39 cw(c3480,4188.79) P3.3@3480,4225 ; P3.3@3480,4240 3409,4169 3409,3833 3471,3771 3567,3771 3602,3806 3602,4021 3650,4069 3849,4069 3941,3977 3941,3833 ; 3941,3817 3941,3833 ; v1@4770.86,2984.86 ccw(c4736.72,2950.72) 4736.72,2999 ccw(c4736.72,3047.28) v1@4770.86,3013.14 ; v1@4799.14,2984.86 cw(c4833.28,2950.72) 4833.28,2999 cw(c4833.28,3047.28) v1@4799.14,3013.14 ; R12.2@4865.86,2949.14 ccw(c4831.72,2983.28) 4880,2983.28 ccw(c4928.28,2983.28) R12.2@4894.14,2949.14 ; C10.1@4865.86,3040.86 cw(c4831.72,3006.72) 4880,3006.72 cw(c4928.28,3006.72) C10.1@4894.14,3040.86 ; R12.2@4880,2930 4880,2999 ; C10.1@4894.14,3045.86 cw(c4928.28,3011.72) 4928.28,3060 cw(c4928.28,3108.28) C10.1@4894.14,3074.14 ; R10.1@4985.86,3045.86 ccw(c4951.72,3011.72) 4951.72,3060 ccw(c4951.72,3108.28) R10.1@4985.86,3074.14 ; R10.1@5014.14,3045.86 cw(c5048.28,3011.72) 5048.28,3060 cw(c5048.28,3108.28) R10.1@5014.14,3074.14 ; 5040.88,3060 cw(c5040.88,3021.55) v2@5068.06,3048.74 ; 5058.55,3060 ccw(c5058.55,3073.45) v2@5068.06,3063.94 ; v2(5075.66,3056.34) 5072,3060 R10.1@5000,3060 C10.1@4880,3060 4880,2999 ; U5.12@5354.49,3030 v2@5427,3030 ; U5.12@5390.8,3025.18 cw(c5402.43,3013.56) 5402.43,3030 cw(c5402.43,3046.44) U5.12@5390.8,3034.82 ; v2@5428.4,3022.4 ccw(c5410.05,3004.05) 5410.05,3030 ccw(c5410.05,3055.95) v2@5428.4,3037.6 ; 3941,3833 3941,3774 3968,3747 4581,3747 4643,3685 4643,3521 4588,3466 4588,3100 4689,2999 v1(4785,2999) 4880,2999
  Bottom Layer w10: v2(5075.66,3056.34) 5102,3030 v2(5436,3030) ; v2@5428.4,3022.4 ccw(c5410.05,3004.05) 5410.05,3030 ccw(c5410.05,3055.95) v2@5428.4,3037.6
BACK1: P4.4
BACK2: P4.3